# Altium PCB TEBF0808ASCII.PcbDoc (part 2 of 10)
Units mm, origin at the board's own origin, x right, y up, seen from the top; angles counter-clockwise.
Board outline 170 x 170 mm, 16 copper layers (L 01, L 02 G, L 03 S, L 04 G, L 05 S, L 06 G, L 07 P, L 08 P, L 09 P, L 10 P, L 11 G, L 12 S, L 13 G, L 14 S, L 15 G, L 16), stack 1.774 mm thick; 609 components, 869 nets, 3941 pads, 2358 vias.
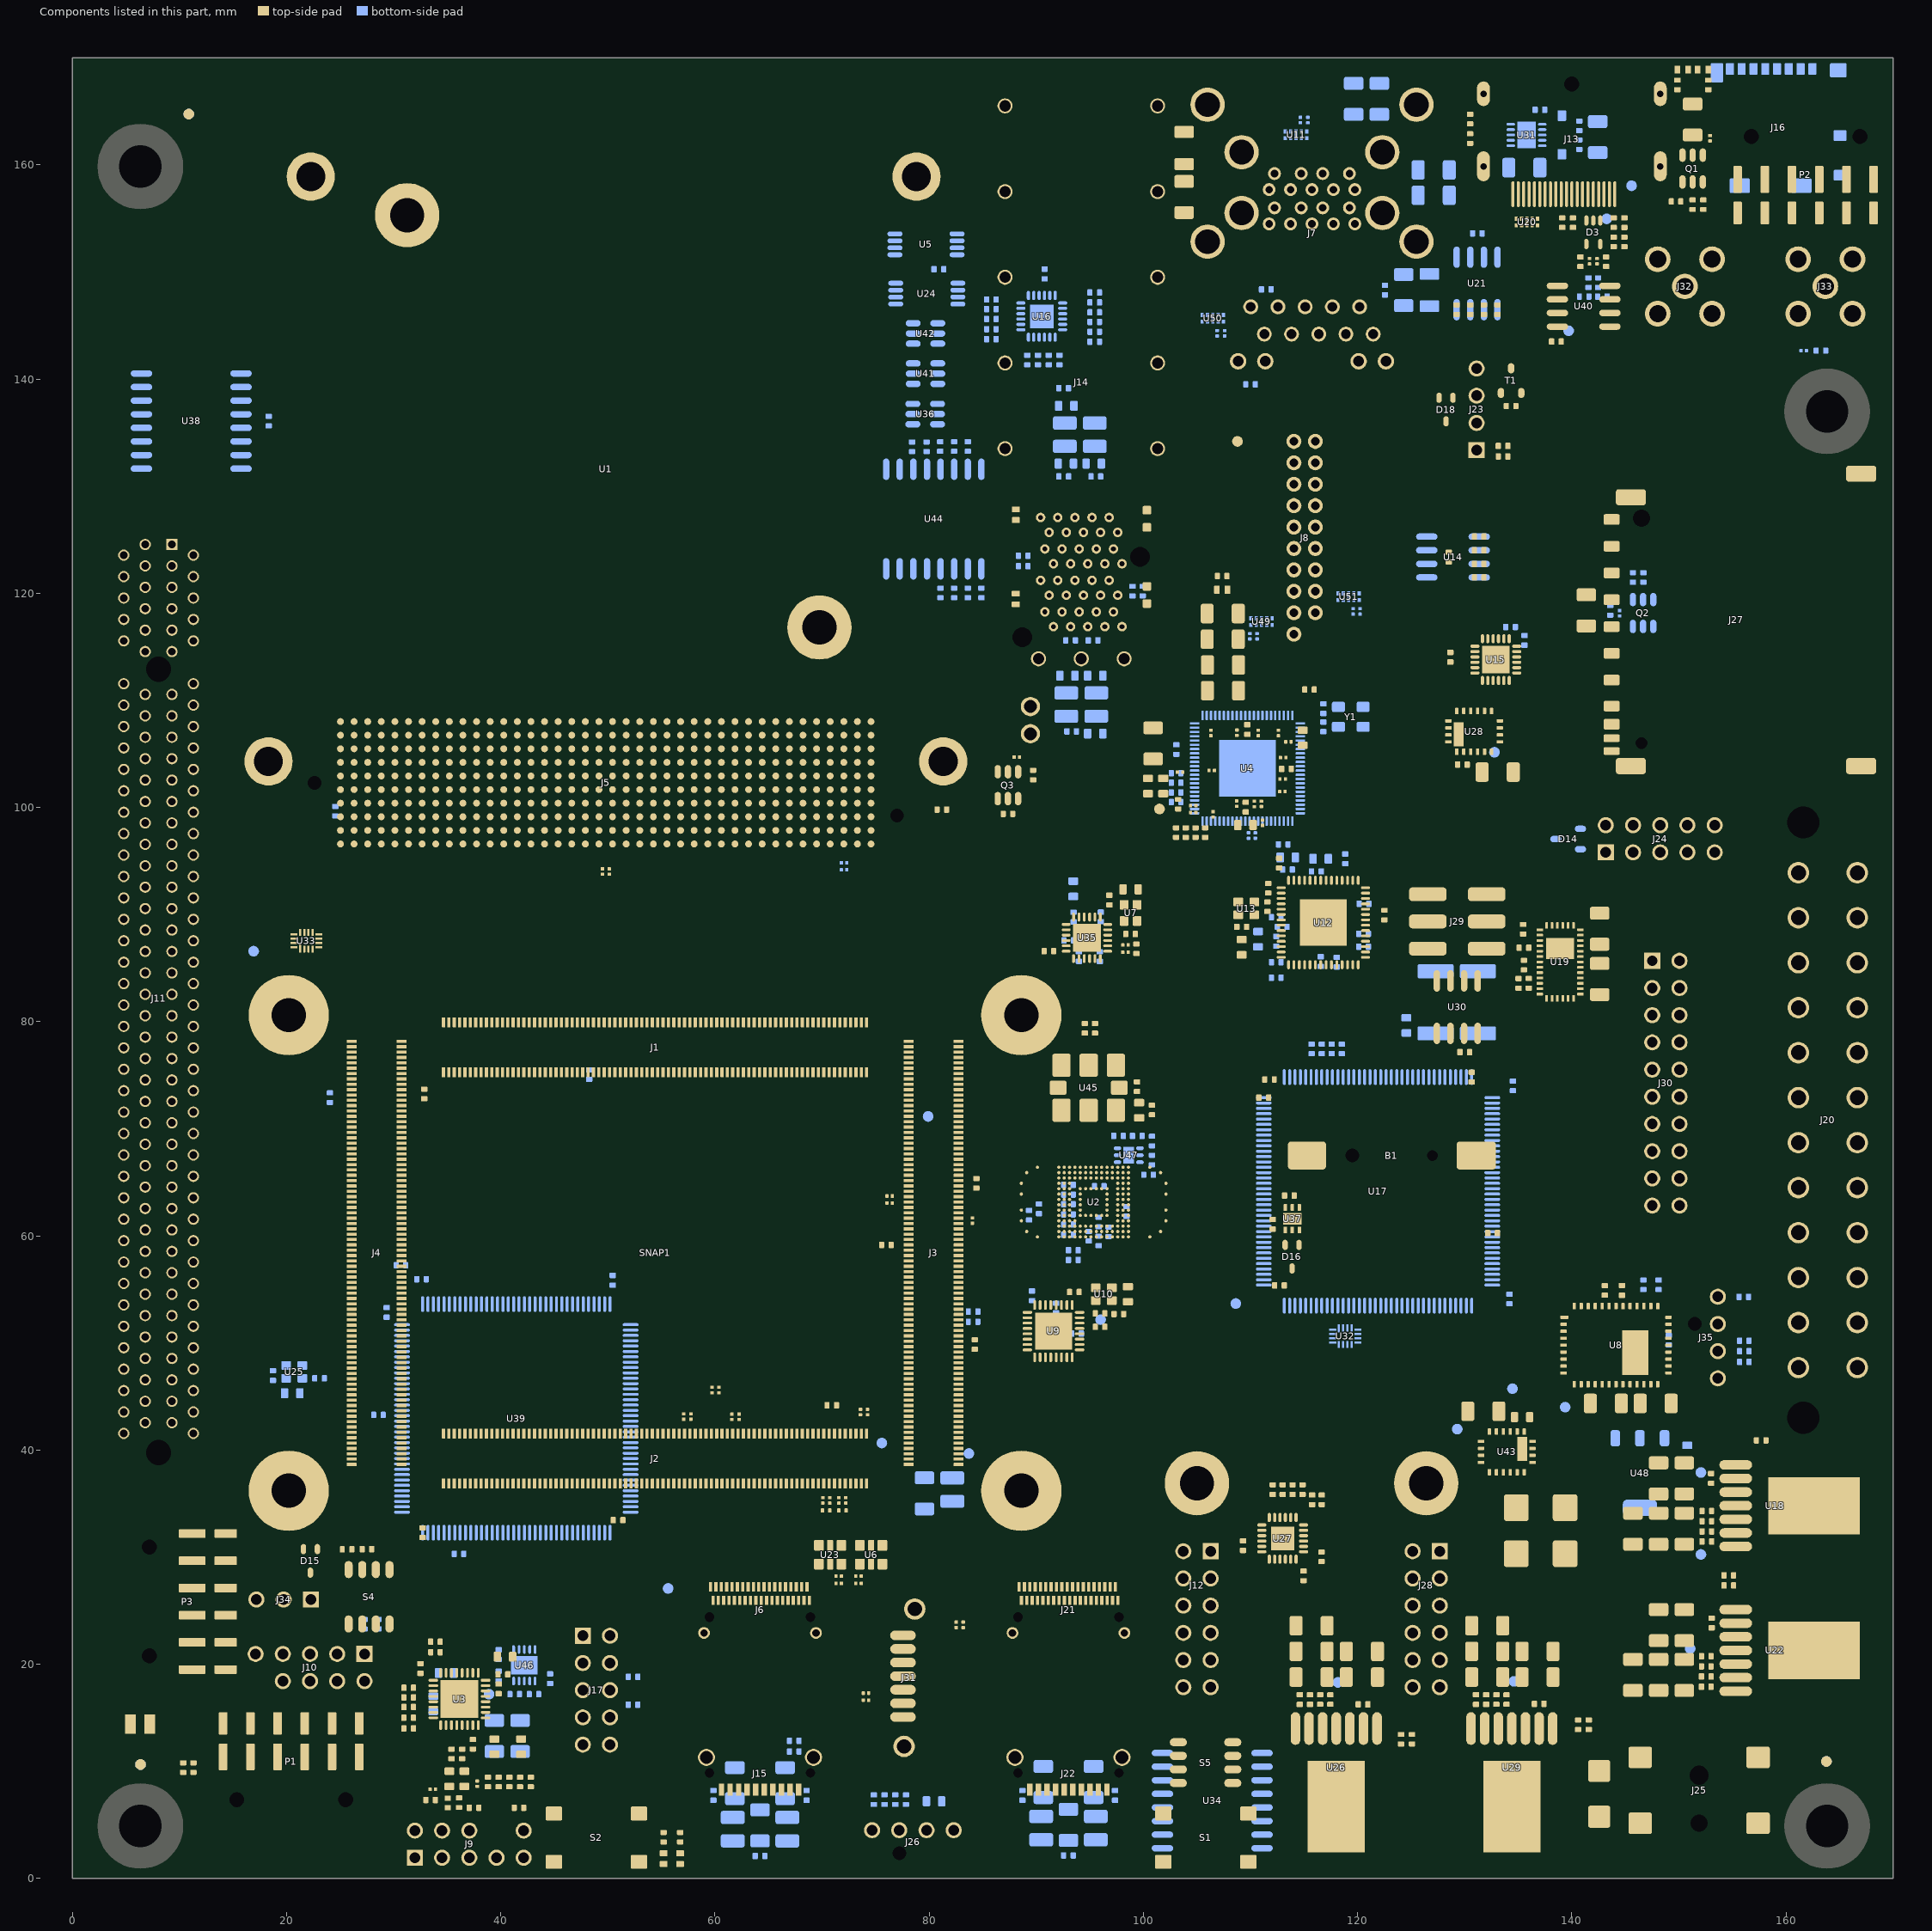
[diagram p12: the components of this part, seen from the top]

## Components (designator, comment, footprint, x,y, rotation, side; value= is the part's Value field where it differs from the comment) (continued)
C190 "100µF" CAPC3216X180N 132.1,23.6 r0 top
C191 "220nF" CAPC1005X55N 132,16.7 r90 top
C192 "33nF" CAPC1608X90N 124.55,79.65 r270 bottom
C193 "470nF" CAPC1005X55N 138.555,143.495 r0 top
C194 "470nF" CAPC1005X55N 96.025,89.775 r270 bottom
C195 "470nF" CAPC1005X55N 93.975,86.075 r90 bottom
C196 "4.7µF" CAPC1005X60N 99.425,69.325 r180 bottom
C197 "100nF" CAPC0603X33N 82.525,23.675 r270 top
C198 "10µF" CAPC1608X90N 135.35,43.075 r180 top
C199 "47µF" CAPC3216X180N 131.734,43.616 r0 top
C200 "100nF" CAPC0603X33N 83.175,23.675 r270 top
C202 "100nF" CAPC0603X33N 74.1,17.3 r0 top
C203 "100nF" CAPC0603X33N 74.1,16.65 r0 top
C204 "10µF" CAPC1608X90N 100.425,102 r90 top
C205 "100nF" CAPC0603X33N 110.364,100.325 r90 top
C206 "10nF" CAPC0603X33N 111.014,100.327 r90 top
C207 "4.7µF" CAPC1005X60N 39.8,20.9 r270 bottom
C208 "4.7µF" CAPC1005X60N 109.55,100.025 r270 top
C210 "100nF" CAPC0603X33N 108.725,106.975 r90 top
C212 "100nF" CAPC0603X33N 106.3,106.95 r90 top
C214 "1nF" CAPC1005X55N 44.6,18.65 r270 bottom
C215 "470nF" CAPC1005X55N 90.775,149.805 r270 bottom
C216 "4.7µF" CAPC1005X60N 39.8,18.9 r90 bottom
C217 "470nF" CAPC1005X55N 109.3,31.075 r90 top
C218 "10nF" CAPC0603X33N 152.9,162.477 r270 top
C219 "10nF" CAPC0603X33N 144.45,118.125 r90 bottom
C220 "470nF" CAPC0603X33N 71.55,28.225 r180 top
C221 "100nF" CAPC0603X33N 70.709,35.3 r90 top
C222 "100nF" CAPC0603X33N 70.059,35.3 r90 top
C223 "100nF" CAPC0603X33N 71.564,35.3 r90 top
C224 "100nF" CAPC0603X33N 110.725,106.95 r90 top
C226 "100nF" CAPC0603X33N 108.7,100.35 r270 top
C228 "100nF" CAPC0603X33N 106.5,99.348 r270 top
C230 "4.7µF" CAPC1005X60N 109.7,107.275 r270 top
C231 "22µF" CAPC3216X180N 100.9,105.975 r90 top
C232 "100nF" CAPC0603X33N 113.527,106.125 r0 top
C234 "100nF" CAPC0603X33N 113,102.65 r0 top
C236 "100nF" CAPC0603X33N 113.05,104.65 r0 top
C239 "10µF" CAPC1608X90N 114.875,106.5 r270 top
C240 "100nF" CAPC0603X33N 112.6,106.948 r90 top
C255 "10pF" CAPC1005X55N 116.8,109.225 r90 bottom
C256 "10pF" CAPC1005X55N 116.8,107.525 r270 bottom
C257 "100µF" CAPC3216X180N 107.425,113.3 r180 top
C258 "100µF" CAPC3216X180N 107.4,115.7 r180 top
C259 "100µF" CAPC3216X180N 127.1,159.525 r0 bottom
C260 "100µF" CAPC3216X180N 119.625,166.15 r90 bottom
C261 "15pF" CAPC1005X55N 122.55,148.3 r270 bottom
D1 "LED Red SML-P11UTT86" LEDC1006X25N_RED 88.075,119.47 r270 top
D2 "MBR0520LT1G" SOD3816X120N 139.065,162.785 r270 bottom
D3 "TVS WE82402374" SOT65P210X110-5N 142,153.7 r270 top locked
D4 "LED Green SML-P11MTT86" LEDC1006X25N_GREEN 150.35,168.89 r0 top
D5 "LED Red SML-P11UTT86" LEDC1006X25N_RED 152.24,168.89 r180 top
D6 "LED Green SML-P11MTT86" LEDC1006X25N_GREEN 56.75,1.85 r270 top
D7 "LED Red SML-P11UTT86" LEDC1006X25N_RED 55.2,1.85 r270 top
D8 "Chip LED 0603 Bright Green" chipLED_0603_Green 100.325,119.83 r90 top
D9 "LED Red SML-P11UTT86" LEDC1006X25N_RED 88.08,127.335 r90 top
D10 "Chip LED 0603 Bright Green" chipLED_0603_Green 100.325,126.95 r270 top
D11 "SMBJ20A, 20V, 600W" DIOM5236X261N 142.55,7.9 r270 top
D12 "B360B-13-F" DIOM4336X250N 134.816,32.466 r270 top
D13 "B360B-13-F" DIOM4336X250N 139.366,32.466 r270 top
D14 "CDSOT23-T24CAN" SOT95P237X112-3N 139.65,97.05 r180 bottom
D15 "SDMG0340LC-7-F" SOT65P210X110-3N 22.225,29.65 r270 top
D16 "SDMG0340LC-7-F" SOT65P210X110-3N 113.875,58.05 r270 top
D17 "LED Green SML-P11MTT86" LEDC1006X25N_GREEN 107.35,120.325 r0 top
D18 "SDMG0340LC-7-F" SOT65P210X110-3N 128.25,137.15 r270 top
J1 "SS5-80-3.50-L-D-K-TR" SS5-80-3.50-L-D-K-TR 54.405,77.603 r180 top locked
J2 "SS5-80-3.50-L-D-K-TR" SS5-80-3.50-L-D-K-TR 54.405,39.203 r180 top locked
J3 "SS5-80-3.50-L-D-K-TR" SS5-80-3.50-L-D-K-TR 80.405,58.403 r270 top locked
J4 "SS5-80-3.50-L-D-K-TR" SS5-80-3.50-L-D-K-TR 28.405,58.403 r270 top locked
J5 "ASP-134486-01, CC-HPC-10" ASP-134486-01B 49.8,102.3 r0 top locked
J6 "UEC5-019-1-X-D-RA-1-A" UEC5-019-1-X-D-RA-1-A 64.2,24.4 r0 top locked
J7 "USB3.0 A 2x , RJ45 1x  Stacked" 7497110616 115.735,150.453 r180 top locked
J8 "USB3 WANNE 19Pol." WANNE2mm2R-19_Intel_USB 115.05,125.175 r90 top locked
J9 "INTEL HDA Header 9Pol." INTEL_FP_HDA_9PIN 37.061,3.2 r0 top locked
J10 "INTEL RST-LED Header 9Pol." INTEL_FP_RST_LED_9PIN 22.19,19.69 r180 top locked
J11 "PCIe-x16-E.C.Connector" PCIe-x16-E.C.Connector 8.05,112.9 r270 top locked
J12 "TE0790-Base" TE0790-Base 105,24.2 r0 top locked
J13 "Display Port Buchse" 8470-2-2-X 140,164.4 r180 top locked
J14 "SFP+ 2x1 Connector" 1-2007492-5 94.2,141.5 r180 top locked
J15 "UCC8-010-1-H-S-1-A" UCC8-010-1-X-S-1-A 64.2,9.85 r0 top locked
J16 "microSD Memory Card Connector with Detec" 104031-0811 159.3,163.425 r0 bottom locked
J17 "WANNE2,54-10 GERADE" "WANNE2,54-10 GERADE" 48.925,17.575 r270 top locked
J19 "Wire to board, 2 pol. header" Molex22-27-2021 89.45,108.15 r90 top
J20 "SDA-44206-0001/SDA-44206-0007" SDA-44206-0001 163.9,70.8 r90 top locked
J21 "UEC5-019-1-X-D-RA-1-A" UEC5-019-1-X-D-RA-1-A 93,24.4 r0 top locked
J22 "UCC8-010-1-H-S-1-A" UCC8-010-1-X-S-1-A 93,9.85 r0 top locked
J23 "Pin Header 2.54 1Row 4Pins" "STIFTLEISTE2_54 OG 1R-4" 131.1,137.17 r270 top
J24 "WANNE2,54-10 GERADE" "WANNE2,54-10 GERADE" 148.25,97.07 r0 top locked
J25 "Power Jack 2.1mm 90° SMD" 694106106102 151.88,7.5 r0 top locked
J26 "Stiftleiste 4 Pol. 2,54mm" 47053-1000 78.475,3.425 r0 top
J27 "MMC SD Socket" 104C-TAA0-R 157.01,117.51 r90 top locked
J28 "TE0790-Base" TE0790-Base 126.4,24.2 r0 top locked
J29 "SMD-254-9132-14-6" SMD-254-9132-14-6 129.3,89.35 r90 top locked
J30 "WANNE2,54-20 GERADE" "WANNE2,54-20 GERADE" 148.775,74.25 r270 top locked
J31 "Molex 67800-5005" 67800-5005 77.55,18.885 r270 top locked
J32 "SMA Coaxial straight" SMA-R125426000 150.55,148.646 r90 top locked
J33 "SMA Coaxial straight" SMA-R125426000 163.666,148.646 r90 top locked
J34 "JUMPER2.54-3" JUMPER2_54-3 19.725,26.04 r0 top locked
J35 "Stiftleiste 4 Pol. 2,54mm" 47053-1000 152.553,50.499 r270 top locked
L1 "1µH" INDC2520X100N 82.15,36.3 r90 bottom
L2 "1µH" INDC2520X100N 61.65,4.6 r90 bottom
L3 "MPZ1608S221A" INDC1608X95N 101.85,102 r90 top
L4 "MPZ1608S221A" INDC1608X95N 98.55,54.55 r270 top
L5 "MPZ1608S221A" INDC1608X95N 109.175,86.95 r90 top
L6 "1µH" INDC2520X100N 66.75,4.6 r90 bottom
L7 "MPZ1608S221A" INDC1608X95N 113.475,95.325 r0 bottom
L8 "1µH" INDC2520X100N 92.8,109.6 r90 bottom
L9 "1µH" INDC2520X100N 95.6,109.6 r90 bottom
L10 "MPZ1608S221A" INDC1608X95N 93.45,92.4 r90 bottom
L11 "1µH" INDC2520X100N 95.46,134.8 r270 bottom
L12 "1µH" INDC2520X100N 92.66,134.8 r270 bottom
L13 "1µH" INDC2520X100N 90.45,4.7 r90 bottom
L14 "1µH" INDC2520X100N 95.55,4.7 r90 bottom
L15 "MPZ1608S221A" INDC1608X95N 20.525,45.3 r0 bottom
L16 "BKP0603HS121-T" INDC0603X33N 71.55,27.55 r180 top
L17 "BKP0603HS121-T" INDC0603X33N 73.4,27.55 r0 top
L18 "MPZ1608S221A" INDC1608X95N 98.8,92.35 r180 top
L19 "MPZ1608S221A" INDC1608X95N 80.45,7.2 r0 bottom
L20 "MPZ1608S221A" INDC1608X95N 99.6,71.725 r270 top
L21 "MPZ1608S221A" INDC1608X95N 150.775,39.725 r270 bottom
L22 "MPZ1608S221A" INDC1608X95N 109.525,98.35 r180 top
LOGO1 "LOGO PRINT" "LOGO PRINT" 145.875,137.1 r90 top
M1 "FAN 5VDC 45X5MM .7W 1.06CFM" F455B-05MD 50.51,136.05 r0 bottom locked
P1 "PMod 2x6 SMD Host Socket 90°" 610112249221 20.43,4.59 r180 top locked
P2 "PMod 2x6 SMD Host Socket 90°" 610112249221 161.825,165.4 r0 top locked
P3 "PMod 2x6 SMD Host Socket 90°" 610112249221 4.425,25.85 r90 top locked
PM1 "FIDU-DOT - small" "FIDU-DOT - small" 10.867,164.736 r90 top
PM2 "FIDU-DOT - small" "FIDU-DOT - small" 10.867,164.736 r90 bottom
PM3 "FIDU-DOT - small" "FIDU-DOT - small" 6.366,10.638 r90 top
PM4 "FIDU-DOT - small" "FIDU-DOT - small" 6.366,10.638 r90 bottom
PM5 "FIDU-DOT - small" "FIDU-DOT - small" 163.77,10.919 r90 top
PM6 "FIDU-DOT - small" "FIDU-DOT - small" 163.77,10.919 r90 bottom
Q1 "TPS27082LDDCR" SOT95P280X110-6N 151.275,159.65 r270 top
Q2 "TPS27082LDDCR" SOT95P280X110-6N 146.65,118.15 r90 bottom
Q3 "TPS27082LDDCR" SOT95P280X110-6N 87.35,102.075 r270 top locked
R1 "10K" RESC1005X40N 115.5,111 r180 top
R2 "4K99" RESC1005X40N 24.55,99.65 r90 bottom
R3 "10K" RESC1005X40N 131.35,124.01 r180 top
R4 "2K" RESC1005X40N 33.9,22.1 r180 top
R5 "2K" RESC1005X40N 33.9,21.125 r180 top
R6 "10K" RESC1005X40N 41.8,9 r90 top
R7 "33R" RESC1005X40N 84.25,49.85 r270 top
R8 "0R" RESC1005X40N 103.25,100.3 r90 top
R9 "8K06" RESC1005X40N 95.95,52.75 r0 top
R10 "10K" RESC1005X40N 40.8,9 r90 top
R11 "100R" RESC1005X40N 42.8,9 r270 top
R12 "100R" RESC1005X40N 39.8,9 r270 top
R13 "33R" RESC1005X40N 111.575,90.725 r90 top
R14 "4K99" RESC1005X40N 122.5,89.95 r270 top
R15 "4K99" RESC1005X40N 111.65,92.45 r90 top
R16 "1M" RESC3216X65N 103.8,161.566 r270 top
R17 "4K99" RESC1005X40N 67.4,11.85 r180 bottom
R18 "4K99" RESC1005X40N 92.16,141.78 r270 bottom
R19 "33R" RESC1005X40N 23.075,46.7 r0 bottom
R20 "0R" RESC1005X40N 31.4,16 r0 top
R21 "4K99" RESC1005X40N 91.16,141.78 r270 bottom
R22 "49K9" RESC1005X40N 33.45,7.325 r180 top
R23 "49K9" RESC1005X40N 38.8,9 r90 top
R24 "0R" RESC1005X40N 37.4,12.525 r90 top
R25 "2K" RESC1005X40N 31.4,17.8 r180 top
R26 "2K" RESC1005X40N 31.4,16.9 r180 top
R27 "4K99" RESC1005X40N 76.825,7.35 r270 bottom
R28 "100R" RESC1005X40N 74.825,7.35 r270 bottom
R29 "10K" RESC1005X40N 75.825,7.35 r270 bottom
R30 "0R" RESC1005X40N 35.4,11.625 r90 top
R31 "0R" RESC1005X40N 36.4,11.625 r90 top
R32 "0R" RESC1005X40N 24.05,72.9 r270 bottom
R33 "4K99" RESC1005X40N 67.4,12.85 r180 bottom
R34 "10K" RESC1005X40N 37.5,6.6 r180 top
R35 "10K" RESC1005X40N 41.7,6.6 r0 top
R36 "100R" RESC1005X40N 110,139.5 r0 bottom
R37 "100R" RESC1005X40N 134.5,74 r270 bottom
R38 "100K" RESC1005X40N 143.2,150.95 r90 top
R39 "100K" RESC1005X40N 143.9,154.6 r90 top
R40 "4K99" RESC1005X40N 143.9,152.8 r90 top
R41 "4K99" RESC1005X40N 144.9,152.8 r270 top
R42 "100K" RESC1005X40N 140.8,150.95 r270 top
R43 "0R" RESC1005X40N 130.5,162.45 r90 top
R44 "0R" RESC1005X40N 130.5,164.27 r270 top
R45 "4K7" RESC1005X40N 152.55,20.75 r0 top
R46 "4K99" RESC1005X40N 116.625,30.025 r270 top
R47 "1M" RESC1005X40N 139.1,154.6 r90 top
R48 "1K5" RESC1005X40N 152.55,19.8 r180 top
R49 "1M" RESC1005X40N 140.1,154.6 r270 top
R50 "4K99" RESC1005X40N 114.95,28.25 r270 top
R51 "147K" RESC1005X40N 135.975,83.575 r270 top
R52 "105K" RESC1005X40N 135.525,85.275 r90 top
R53 "4K7" RESC1005X40N 117.45,16.7 r270 top
R54 "1K5" RESC1005X40N 116.5,16.7 r90 top
R55 "8K06" RESC1005X40N 152.595,34.3 r0 top
R56 "1K5" RESC1005X40N 152.6,33.35 r180 top
R57 "4K7" RESC1005X40N 133.9,16.7 r270 top
R58 "1K5" RESC1005X40N 132.95,16.7 r90 top
R59 "100R" RESC1005X40N 99.35,86.8 r90 top
R60 "100R" RESC1005X40N 28.575,23.75 r270 bottom
R61 "100R" RESC1005X40N 27.275,23.725 r270 bottom
R62 "4K99" RESC1005X40N 85.8,144.655 r180 bottom
R63 "4K99" RESC1005X40N 116.65,35.35 r270 top
R64 "10K" RESC1005X40N 131.35,122.74 r180 top
R65 "8K06" RESC1005X40N 95.95,51.5 r180 top
R66 "4K7" RESC1005X40N 140.69,163.635 r90 bottom
R67 "1K5" RESC1005X40N 140.69,161.88 r270 bottom
R68 "33R" RESC1005X40N 93.55,54.75 r180 top
R69 "10K" RESC1005X40N 131.785,146.475 r270 top
R70 "10K" RESC1005X40N 130.515,146.475 r270 top
R71 "2K" RESC1005X40N 85.8,147.425 r180 bottom
R72 "1K5" RESC1005X40N 149.85,167.46 r90 top
R73 "1K5" RESC1005X40N 152.74,167.46 r90 top
R74 "1K5" RESC1005X40N 56.75,3.85 r270 top
R75 "1K5" RESC1005X40N 55.2,3.85 r270 top
R76 "2K" RESC1005X40N 85.8,146.525 r180 bottom
R77 "10K" RESC1005X40N 103.05,102.3 r0 bottom
R78 "1K5" RESC1005X40N 107.35,121.6 r180 top
R79 "0R" RESC1005X40N 103.05,97.65 r270 top
R80 "0R" RESC1005X40N 103.95,97.65 r90 top
R81 "10K" RESC1005X40N 36.1,30.3 r0 bottom
R82 "8K06" RESC1005X40N 149.05,50.25 r270 bottom
R83 "10K" RESC1005X40N 104.86,97.65 r270 top
R84 "49R9" RESC1005X40N 141.55,149 r270 bottom
R85 "10K" RESC1005X40N 105.76,97.65 r90 top
R86 "4K99" RESC1005X40N 81.025,133.7 r90 bottom
R87 "4K99" RESC1005X40N 82.325,120.025 r270 bottom
R88 "12K" RESC1005X40N 27.5,30.75 r180 top
R89 "10K" RESC1005X40N 96.75,60.375 r270 bottom
R90 "10K" RESC1005X40N 89.325,61.925 r270 bottom
R91 "10K" RESC1005X40N 93,62 r180 bottom
R92 "10K" RESC1005X40N 93,62.95 r180 bottom
R93 "10K" RESC1005X40N 93,60.1 r180 bottom
R94 "10K" RESC1005X40N 93,61.05 r180 bottom
R95 "10K" RESC1005X40N 95.825,59.525 r270 bottom
R96 "10K" RESC1005X40N 94.9,59.95 r270 bottom
R97 "49R9" RESC1005X40N 142.45,149 r270 bottom
R98 "4K99" RESC1005X40N 77.825,7.35 r270 bottom
R99 "10K" RESC1005X40N 93,63.85 r180 bottom
R100 "59R" RESC6332X80N 131.225,81.8 r90 bottom
R101 "249R" RESC1005X40N 116.65,77.45 r90 bottom
R102 "249R" RESC1005X40N 117.575,77.45 r90 bottom
R103 "33R" RESC1005X40N 76,59.15 r180 top
R104 "249R" RESC1005X40N 115.7,77.45 r90 bottom
R105 "249R" RESC1005X40N 118.525,77.45 r90 bottom
R106 "10K" RESC1005X40N 131.35,125.28 r180 top
R107 "4K99" RESC1005X40N 98.975,120.2 r270 bottom
R108 "4K99" RESC1005X40N 83.6,120.025 r270 bottom
R109 "0R" RESC1005X40N 133.575,132.775 r180 top
R110 "10K" RESC1005X40N 131.35,121.47 r180 top
R111 "10K" RESC1005X40N 133.055,146.475 r270 top
R112 "33R" RESC1005X40N 98.795,88.175 r180 top
R113 "4K99" RESC1005X40N 88.775,122.525 r180 bottom
R114 "4K99" RESC1005X40N 81.05,120.025 r270 bottom
R115 "4K99" RESC1005X40N 90.15,141.78 r270 bottom
R116 "4K99" RESC1005X40N 85.8,145.605 r180 bottom
R117 "4K99" RESC1005X40N 84.875,120.025 r270 bottom
R118 "4K99" RESC1005X40N 88.77,123.5 r180 bottom
R119 "4K99" RESC1005X40N 95.45,144.405 r180 bottom
R120 "4K99" RESC1005X40N 95.45,143.48 r180 bottom
R121 "4K99" RESC1005X40N 89.15,141.78 r270 bottom
R122 "4K99" RESC1005X40N 79.75,133.675 r90 bottom
R123 "4K99" RESC1005X40N 99.925,120.2 r270 bottom
R124 "4K99" RESC1005X40N 82.325,133.7 r90 bottom
R125 "100K" RESC1005X40N 111.775,74.6 r180 top
R126 "10K" RESC1005X40N 18.335,136.069 r90 bottom
R127 "4K99" RESC1005X40N 83.6,133.7 r90 bottom
R128 "33R" RESC1005X40N 32.6,55.95 r180 bottom
R129 "10K" RESC1005X40N 81.175,99.8 r180 top
R130 "4K99" RESC1005X40N 95.45,147.155 r180 bottom
R131 "4K99" RESC1005X40N 95.45,148.08 r180 bottom
R132 "4K99" RESC1005X40N 115.75,35.35 r270 top
R133 "59R" RESC6332X80N 127.275,81.8 r90 bottom locked
R134 "100R" RESC0603X26N 71.9,34.35 r0 top
R135 "2K" RESC1005X40N 52.345,16.225 r0 bottom
R136 "2K" RESC1005X40N 52.35,18.825 r0 bottom
R137 "12K" RESC1005X40N 151.275,156.275 r270 top
R138 "200K" RESC1005X40N 152.275,156.275 r270 top
R139 "12K" RESC1005X40N 146.675,121.475 r90 bottom
R140 "4K99" RESC1005X40N 11.3,10.35 r270 top
R141 "4K99" RESC1005X40N 84.1,52.925 r180 bottom
R142 "4K99" RESC1005X40N 84.1,51.975 r180 bottom
R143 "1M" RESC3216X65N 126.7,148.3 r270 bottom
R144 "4K99" RESC1005X40N 10.35,10.35 r270 top
R145 "10K" RESC1005X40N 129.245,146.475 r270 top
R146 "100R" RESC1005X40N 70.9,44.175 r180 top
R147 "200K" RESC1005X40N 145.7,121.475 r270 bottom
R148 "4K99" RESC1005X40N 114.85,36.3 r270 top
R149 "4K99" RESC1005X40N 113.925,36.305 r270 top
R150 "147K" RESC1005X40N 25.645,30.725 r180 top
R151 "33R" RESC1005X40N 91.175,86.575 r180 top
R152 "49K9" RESC1005X40N 157.675,40.9 r0 top
R153 "10K" RESC1005X40N 154.65,28.3 r180 top
R154 "0R" RESC1005X40N 154.65,27.35 r180 top
R155 "0R" RESC1005X40N 124.05,13 r90 top
R156 "0R" RESC1005X40N 140.575,14.345 r90 top
R157 "10K" RESC1005X40N 125.075,13 r90 top
R158 "10K" RESC1005X40N 141.15,147.7 r0 bottom
R159 "4K99" RESC1005X40N 142.85,147.7 r180 bottom
R160 "0R" RESC1005X40N 48.25,75.05 r270 bottom
R161 "0R" RESC1005X40N 30.68,57.25 r0 bottom
R162 "10K" RESC1005X40N 143.076,54.901 r270 top
R163 "10K" RESC1005X40N 141.575,14.35 r90 top
R164 "10K" RESC1005X40N 135.45,88.625 r90 top
R165 "4K99" RESC1005X40N 95.45,145.33 r180 bottom
R166 "4K99" RESC1005X40N 113,36.3 r270 top
R167 "4K99" RESC1005X40N 112.075,36.3 r270 top
R168 "33R" RESC1005X40N 163.25,142.65 r180 bottom
R169 "10K" RESC1005X40N 134.325,137.475 r180 top
R170 "4K7" RESC1005X40N 41.3,17.2 r180 bottom
R171 "1K5" RESC1005X40N 43.1,17.2 r0 bottom
R172 "100R" RESC0603X26N 70.375,34.35 r0 top
R173 "4K99" RESC1005X40N 85.8,143.73 r0 bottom
R174 "4K99" RESC1005X40N 78.4,133.675 r90 bottom
R177 "0R" RESC1005X40N 149.725,156.575 r180 top
R178 "0R" RESC1005X40N 143.575,118.4 r270 bottom
R179 "4K99" RESC1005X40N 95.45,146.23 r180 bottom
R180 "100R" RESC1005X40N 84.4,64.9 r90 top
R181 "0R" RESC1005X40N 94.525,79.375 r270 top
R182 "0R" RESC1005X40N 95.475,79.375 r270 top
R183 "4K99" RESC1005X40N 134.175,54.1 r270 bottom
R184 "10K" RESC1005X40N 95.825,61.275 r90 bottom
R185 "4K99" RESC1005X40N 148.101,55.426 r90 bottom
R186 "4K99" RESC1005X40N 146.676,55.426 r90 bottom
R187 "0R" RESC1005X40N 35.05,7.05 r90 top
R188 "0R" RESC1005X40N 36.1,7.07 r90 top
R189 "33R" RESC1005X40N 28.575,43.275 r180 bottom
R190 "240R" RESC1005X40N 32.85,73.25 r270 top
R191 "12K" RESC1005X40N 100.8,68.85 r270 bottom
R192 "100K" RESC1005X40N 100.8,67.075 r90 bottom
R193 "100K" RESC1005X40N 100.475,65.7 r0 bottom
R194 "0R" RESC1005X40N 100.8,71.75 r90 top
R195 "200R" RESC1005X40N 103.05,103.2 r0 bottom
R196 "4K99" RESC1005X40N 156.1,49.225 r180 bottom
R197 "100R" RESC1005X40N 156.05,54.3 r180 bottom
R198 "4K99" RESC1005X40N 156.1,48.225 r180 bottom
R199 "10K" RESC1005X40N 156.1,50.2 r0 bottom
R200 "6K04" RESC1005X40N 113.05,96.55 r180 bottom
R201 "10K" RESC1005X40N 103.075,105.4 r90 bottom
R202 "10K" RESC1005X40N 103.05,101.4 r0 bottom
R203 "10K" RESC1005X40N 103.05,100.5 r0 bottom
R204 "12K" RESC1005X40N 89.7,103.025 r90 top
R205 "200K" RESC1005X40N 87.35,99.4 r180 top
S1 "SW PB DTSM61N" DTSM61N 105.82,3.81 r180 top locked
S2 "SW PB DTSM61N" DTSM61N 48.93,3.81 r180 top
S4 "CHS-04TA" CHS-04TA 27.7,26.3 r270 top locked
S5 "CHS-04TA" CHS-04TA 105.8,10.81 r0 top locked
S/N "Serialnumber" TraceabilityPad 6.325,14.425 r0 top
Serial "Serialnumber 6,3 x 6.3mm" Serial_6.3x6.3mm 8.6,147.8 r270 top
SNAP1 "TE_76x52mm_3N_Snap" TE_76x52mm_Snap 54.405,58.403 r90 top locked
SNAP2 "SNAP FireFly Socket System" FireFly_Snap 93,24.4 r0 top locked
SNAP3 "SNAP FireFly Socket System" FireFly_Snap 64.2,24.4 r0 top locked
T1 "BSH111,215" SOT95P230X109-3N 134.325,139.85 r90 top
TP1 "Testpoint 1mm" TP_1mm 108.775,134.175 r180 top
TP2 "Testpoint 1mm" TP_1mm 108.625,53.675 r90 bottom
TP3 "Testpoint 1mm" TP_1mm 139.376,44.001 r90 bottom
TP4 "Testpoint 1mm" TP_1mm 151.05,21.45 r90 bottom
TP5 "Testpoint 1mm" TP_1mm 118.15,18.3 r90 bottom
TP6 "Testpoint 1mm" TP_1mm 152.05,30.25 r90 bottom
TP7 "Testpoint 1mm" TP_1mm 142.6,82.525 r270 bottom
TP8 "Testpoint 1mm" TP_1mm 134.6,18.4 r90 bottom
TP9 "Testpoint 1mm" TP_1mm 132.775,105.15 r0 bottom
TP10 "Testpoint 1mm" TP_1mm 129.3,41.95 r90 bottom
TP11 "Testpoint 1mm" TP_1mm 152.05,37.9 r90 bottom
TP12 "Testpoint 1mm" TP_1mm 101.5,99.85 r180 top
TP13 "Testpoint 1mm" TP_1mm 38.9,17.2 r90 bottom
TP15 "Testpoint 1mm" TP_1mm 83.7,39.675 r270 bottom
TP18 "Testpoint 1mm" TP_1mm 145.575,158.05 r90 bottom
TP19 "Testpoint 1mm" TP_1mm 143.25,154.95 r0 bottom
TP28 "Testpoint 1mm" TP_1mm 16.925,86.575 r270 bottom
TP29 "Testpoint 1mm" TP_1mm 55.625,27.075 r270 bottom
TP30 "Testpoint 1mm" TP_1mm 79.9,71.15 r270 bottom
TP31 "Testpoint 1mm" TP_1mm 139.7,144.5 r0 bottom
TP32 "Testpoint 1mm" TP_1mm 134.45,45.725 r270 bottom
TP33 "Testpoint 1mm" TP_1mm 96,52.175 r270 bottom
TP36 "Testpoint 1mm" TP_1mm 75.575,40.65 r270 bottom
U1 "Single FMC Carrier Card" FMC-MM-Single-Base 49.8,102.3 r0 top locked